# Altium PCB GN-1876-HI3519AV100_V1.PCBDOC (part 1 of 6) (continued)
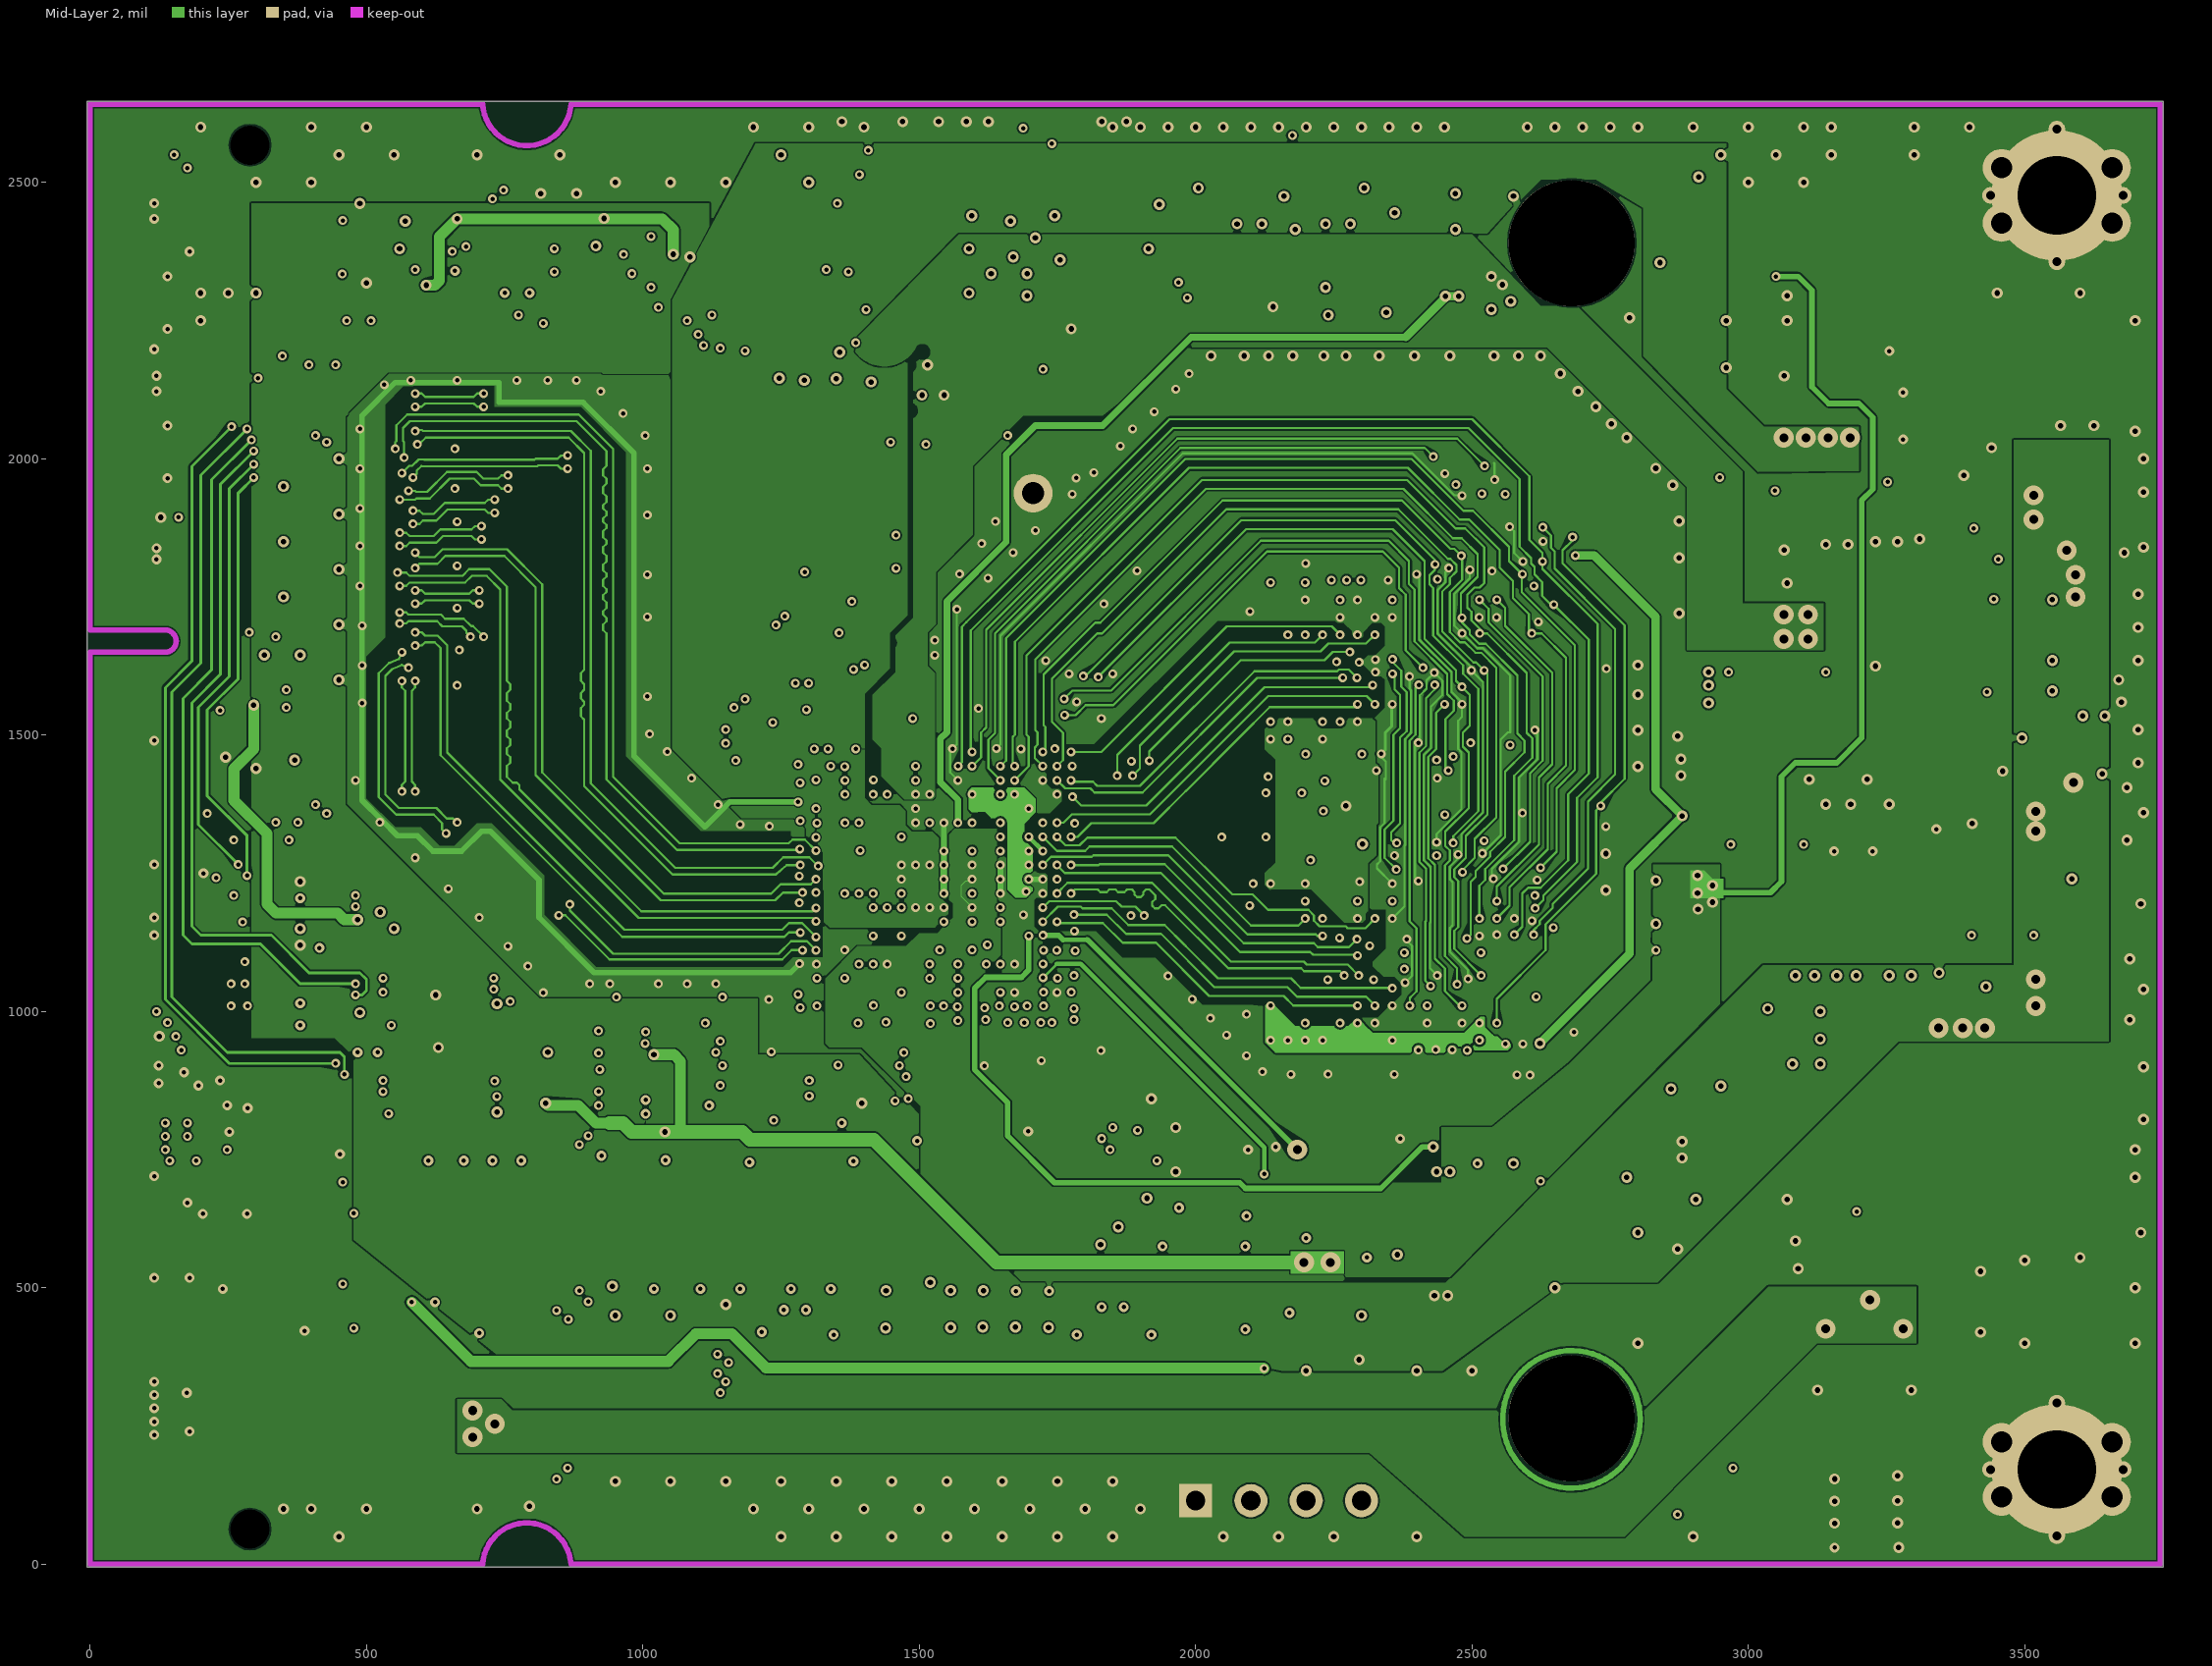
[diagram p3: Mid-Layer 2]

## Layer stack, top to bottom
Top Layer: signal copper 1.4
Dielectric: dielectric 12.6, FR-4, Dk 4.8
Mid-Layer 1: signal copper 1.4
Dielectric: dielectric 12.6, FR-4, Dk 4.8
Mid-Layer 2: signal copper 1.4
Dielectric: dielectric 12.6, FR-4, Dk 4.8
Bottom Layer: signal copper 1.4

## Board outline
-5,-5.22 3750,-5.22 3750,2646.73 -5,2646.73

## Design rules (kind name [scope] priority, off if disabled: settings)
Clearance "'Default' PADS rule_16" [All] p1: gap=3
Clearance "'Default' PADS rule_13" [IsVia vs IsVia] p2: gap=0.1
ComponentClearance "'Default' PADS rule_10" [All] p1: gap=1 collisioncheckmode=3 verticalgap=10 showdistances=FALSE
FabricationTestPointUsage TestPointUsage [All] p1: valid=0 allowmultiple=FALSE
FabricationTestpoint Testpoint [All] p1: side=3 testpointundercomponent=TRUE minsize=40 maxsize=100 preferedsize=60 minholesize=0 maxholesize=40 preferedholesize=32 testpointgrid=1 allowsidetop=TRUE allowsidebottom=TRUE usegrid=TRUE gridtolerance=0.01
Length "'Default' PADS rule_5" [All] p1: maxlimit=50000 minlimit=0
MatchedLengths "'Default' PADS rule_9" [InNetClass('All Nets')] p1: tolerance=200 checknetsindiffpair=TRUE checkdiffpairvsdiffpair=TRUE checkothers=TRUE
MaxMinImpedance "'Default' PADS rule_8" [All] p1: minimum=50.00 maximum=150.0
ParallelSegment "'Default' PADS rule_7" [All] p1: limit=1000 gap=200
ParallelSegment "'Default' PADS rule_6" [All] p2: limit=1000 gap=200
PlaneClearance "Power Plane Clearance for J7-1" [(Name='J7-1')] p1: clearance=20 // PAD - Power Plane Clearance
PlaneClearance "'Default' PADS rule_12" [All] p2: clearance=3
PlaneConnect "Power Plane Connect Style for J7-1" [(Name='J7-1')] p1: planeconnectstyle=Direct reliefexpansion=-15 reliefentries=4 reliefconductorwidth=9 reliefairgap=35
PlaneConnect "Power Plane Connect Style - pads with no thermal" [(Name='J1-205') Or (Name='J1-206') Or (Name='M10-1') Or (Name='M8-1')] p2: planeconnectstyle=Direct reliefexpansion=20 reliefentries=4 reliefconductorwidth=10 reliefairgap=10 // PAD - No Thermal Connect Rule
PlaneConnect "Power Plane Connect Style - from global settings" [All] p3: planeconnectstyle=Direct reliefexpansion=20 reliefentries=2 reliefconductorwidth=15 reliefairgap=10
PolygonConnect [All] p1: connectstyle=Direct reliefconductorwidth=10 reliefentries=4 polygonreliefangle="90 Angle"
RoutingLayers "'Default' PADS rule_3" [All] p1: top layer_v5=FALSE mid layer 1_v5=FALSE mid layer 2_v5=FALSE bottom layer_v5=FALSE
RoutingPriority "'Default' PADS rule_2" [All] p1: routingpriority=3
RoutingTopology "'Default' PADS rule" [All] p1: topology=Shortest
RoutingVias "'Default' PADS rule_4" [All] p1: holewidth=16 width=36 viastyle="Through Hole" minholewidth=16 minwidth=36 maxholewidth=16 maxwidth=36
SMDToCorner "'Default' PADS rule_14" [All] p1: distance=1000
SMDToPlane "'Default' PADS rule_15" [All] p1: distance=1000
SilkscreenOverComponentPads [All] p1: minsilkscreentomaskgap=10
SolderMaskExpansion "Solder Mask Expansion from CAM settings" [All] p1: expansion=5
Width "'Default' PADS rule_11" [All] p1: maxlimit=50 minlimit=4 preferedwidth=4
19 further rules are at their usual default settings.

## Components (designator, comment, footprint, x,y, rotation, side; value= is the part's Value field where it differs from the comment)
A1 "PAD" PAD 1121,603.16 r0 top
A2 "PAD" PAD 1193,603.16 r0 top
AOUT1 "PAD" PAD 969,607.16 r0 top
AOUT2 "PAD" PAD 1049,603.16 r0 top
C1 "SC0402" SC0402 3336,690.16 r270 top
C2 "SC0402" SC0402 3344,1026.16 r90 top
C3 "SC0402_BGA1" SC0402_BGA1 1313,907.16 r180 bottom
C5 "SC0402" SC0402 416,1318.16 r0 top
C6 "SC0402_BGA1" SC0402_BGA1 1569.79,1272.53 r90 bottom
C7 "SC0402" SC0402 224,1310.16 r180 bottom
C8 "SC0402_BGA1" SC0402_BGA1 1752,1142.16 r0 bottom
C9 "RECV" RECV 960,1630 r270 top
C10 "SC0402_BGA1" SC0402_BGA1 1507.6,1210.28 r0 bottom
C11 "PB" PB 2290,380 r0 top
C12 "ESD_MINI" ESD_MINI 955,1925 r270 top
C13 "SC0805" SC0805 3244,350.16 r270 bottom
C14 "GOSPELL_M" GOSPELL_M 600,650 r0 top
C16 "SC0402_BGA1" SC0402_BGA1 1621.1,1247.48 r270 bottom
C17 "SC0402_BGA1" SC0402_BGA1 1569.79,1207.31 r90 bottom
C18 "SC0402" SC0402 2155,2435.16 r270 bottom
C20 "SC0402_BGA1" SC0402_BGA1 1441.1,1164.7 r180 bottom
C21 "SC0402_BGA1" SC0402_BGA1 1490.09,1150.4 r270 bottom
C22 "SC0402" SC0402 2245,2545.16 r90 top
C24 "SC0402_BGA1" SC0402_BGA1 1493,1491.9 r90 bottom
C27 "SC0402_BGA1" SC0402_BGA1 1507.6,1288.5 r0 bottom
C28 "SC0402_BGA1" SC0402_BGA1 1425.1,1307.7 r180 bottom
C34 "SC0402" SC0402 2587.1,1000.7 r0 bottom
C35 "SC0402" SC0402 2768.1,1350.7 r270 bottom
C36 "SC0402_BGA1" SC0402_BGA1 1507.6,1242.74 r0 bottom
C37 "SC0402_BGA1" SC0402_BGA1 1442.9,1225.05 r270 bottom
C38 "SC0402" SC0402 2065,2545.16 r90 top
C39 "SC0402_BGA1" SC0402_BGA1 1455,1010.16 r135 bottom
C40 "SC0402_BGA1" SC0402_BGA1 1593.1,1069.7 r270 bottom
C41 "SC0402_BGA1" SC0402_BGA1 1377.1,1074.7 r135 bottom
C42 "SC0402" SC0402 2170,2305 r0 bottom
C43 "HSC0402" HSC0402 3256,1166.76 r0 bottom
C44 "SC0402_BGA1" SC0402_BGA1 1673.07,1287.85 r270 bottom
C45 "SC0402_BGA1" SC0402_BGA1 1670.07,1222.63 r90 bottom
C46 "SC0402_BGA1" SC0402_BGA1 1612.1,1411.7 r331.36 bottom
C47 "SC0402_BGA1" SC0402_BGA1 1741.1,1367.7 r0 bottom
C48 "HSC0402" HSC0402 3160,1946.16 r0 bottom
C49 "SC0402_BGA1" SC0402_BGA1 1686.1,1336.37 r0 bottom
C50 "SC0402_BGA1" SC0402_BGA1 1573.28,1321.14 r180 bottom
C51 "SC0402_BGA1" SC0402_BGA1 1621.1,1312.7 r90 bottom
C52 "SC0402_BGA1" SC0402_BGA1 1618.42,1133.65 r0 bottom
C53 "SC0402_BGA1" SC0402_BGA1 1508.06,1321.14 r180 bottom
C54 "HSC0402" HSC0402 3206,1596.76 r90 bottom
C57 "SC0603" SC0603 1653,861.9 r270 bottom
C58 "SC0402_BGA1" SC0402_BGA1 1597.1,929.7 r0 bottom
C59 "SC0402_BGA1" SC0402_BGA1 1522.19,1150.4 r270 bottom
C60 "SC0402_BGA1" SC0402_BGA1 1391.1,1391.7 r90 bottom
C61 "SC0402_BGA1" SC0402_BGA1 2092,674.16 r270 top
C63 "SC0402" SC0402 1704,1838.16 r135 bottom
C76 "SC0402_BGA1" SC0402_BGA1 1715,1402.16 r0 bottom
C77 "SC0402_BGA1" SC0402_BGA1 1543.97,1418.73 r90 bottom
C80 "SC0402" SC0402 1725,2285.16 r90 bottom
C113 "SC0402" SC0402 1864.09,1767.66 r45 top
C150 "SC0402" SC0402 247,1390.16 r180 bottom
C151 "SC0402" SC0402 319,1598.16 r90 bottom
C152 "SC0402" SC0402 275,1598.16 r90 bottom
C153 "SC0402" SC0402 351,1430.16 r0 bottom
C154 "SC0402" SC0402 615,2435.16 r180 bottom
C155 "SC0402" SC0402 525,2435.16 r0 bottom
C160 "SC0402" SC0402 1566,1545.16 r180 bottom
C173 "SC0402_BGA1" SC0402_BGA1 1425.1,1273.7 r180 bottom
C174 "SC0402" SC0402 2587.1,965.7 r0 bottom
C175 "SC0402" SC0402 2285,2545.16 r90 top
C179 "SC0402" SC0402 2315,2445.16 r270 bottom
C180 "SC0402" SC0402 1850,1985.16 r135 bottom
C181 "SC0402" SC0402 2005,2445.16 r90 top
C182 "SC0402" SC0402 680,810.16 r180 bottom
C183 "SC0402" SC0402 580,790.16 r0 bottom
C184 "SC0402" SC0402 680,978.16 r180 bottom
C185 "SC0402" SC0402 580,990.16 r0 bottom
C186 "SC0402" SC0402 1965,2080.16 r90 bottom
C187 "SC0402" SC0402 3586,1196.76 r90 bottom
C188 "SC0402" SC0402 3352,1874.16 r180 bottom
C189 "SC0402" SC0402 3506,1816.76 r0 bottom
C190 "SC0402" SC0402 3636,1476.76 r270 top
C191 "SC0402" SC0402 430,990.16 r180 bottom
C192 "SC0402" SC0402 330,950.16 r0 bottom
C193 "SC0402" SC0402 430,1135.16 r180 bottom
C196 "SC0603" SC0603 3356,526.76 r0 top
C198 "SC0402" SC0402 2230,2080.16 r90 bottom
C199 "SC0402" SC0402 2928,1282.16 r90 top
C200 "SC0402" SC0402 2924,1146.16 r270 top
C201 "SC0402" SC0402 330,1150.16 r0 bottom
C204 "SC0402" SC0402 500,2358.16 r90 bottom
C205 "SC0402" SC0402 3476,1036.76 r180 top
C206 "SC0402_BGA1" SC0402_BGA1 1642.1,1059.7 r180 bottom
C207 "SC0402" SC0402 635,2325.16 r90 top
C209 "SC0402" SC0402 2510,2080.16 r90 bottom
C210 "SC0402" SC0402 3084,1982.16 r270 top
C211 "SC0402" SC0402 3566,1946.76 r0 bottom
C212 "SC0402_BGA1" SC0402_BGA1 1376.7,1239.8 r180 bottom
C213 "SC0402" SC0402 3646,1756.76 r0 top
C214 "SC0402" SC0402 2715,1980.16 r90 bottom
C215 "SC0402" SC0402 2880,1558.16 r180 top
C216 "SC0402" SC0402 2030,1695.16 r315 bottom
C217 "SC0402" SC0402 1920,1580.16 r315 bottom
C218 "SC0402" SC0402 2330,1340.16 r180 bottom
C219 "SC0402" SC0402 2685,1175.16 r0 bottom
C223 "SC0402" SC0402 3464,1338.16 r180 top
C224 "SC0402" SC0402 2765,1980 r90 bottom
C225 "SC0402" SC0402 1805,1705.16 r45 top
C227 "SC0402" SC0402 2848,818.16 r90 top
C228 "SC0402" SC0402 2914,1042.16 r0 top
C231 "SC0402_BGA1" SC0402_BGA1 1391.1,1159.7 r90 bottom
C232 "SC0402" SC0402 2735,1255.16 r0 bottom
C233 "SC0402" SC0402 2783,1540.16 r0 bottom
C234 "SC0402_BGA1" SC0402_BGA1 1357,943.16 r90 bottom
C236 "SC0402" SC0402 2880,1602.16 r180 top
C238 "SC0603" SC0603 2416,2250.16 r180 top
C240 "SC0603" SC0603 3054,852.16 r90 top
C243 "SC0402_BGA1" SC0402_BGA1 1700.48,1171.51 r90 bottom
C252 "SC0603" SC0603 3164,350.16 r270 bottom
C254 "SC1210B" SC1210B 3196,556.76 r180 top
C255 "SC0402" SC0402 2025,2275.16 r90 top
C258 "SC0603" SC0603 2464,2566.16 r180 top
C262 "SC1206" SC1206 3228,906.16 r180 top
C270 "SC0402" SC0402 2388,1330.88 r0 top
C271 "SC0402" SC0402 2473,906.9 r180 bottom
C272 "SC0402" SC0402 2147.1,1450.7 r180 bottom
C273 "SC0402" SC0402 2203.1,920.7 r0 bottom
C274 "SC0402" SC0402 2174.1,1220.7 r270 bottom
C275 "SC0402" SC0402 2403,906.9 r180 bottom
C276 "SC0402" SC0402 2278.1,948.7 r180 bottom
C277 "SC0402" SC0402 2329.15,932.64 r270 bottom
C278 "SC0402" SC0402 2331.1,1216.7 r90 bottom
C279 "SC0402" SC0402 2132.1,975.7 r180 bottom
C280 "SC0402" SC0402 2118,1261.9 r180 bottom
C281 "SC0402" SC0402 2249.1,1241.7 r180 bottom
C282 "SC0402" SC0402 2254,1456.9 r0 bottom
C283 "SC0402" SC0402 2275,1494.9 r180 bottom
C284 "SC0402" SC0402 2199.1,1508.7 r270 bottom
C285 "SC0402" SC0402 2237.41,1733.9 r270 bottom
C286 "SC0402" SC0402 2305,1410.16 r180 bottom
C287 "SC0402" SC0402 2323.1,1758.7 r90 bottom
C288 "SC0402_BGA1" SC0402_BGA1 1481.1,1101.7 r180 bottom
C289 "SC0402" SC0402 2169,1771.75 r270 bottom
C290 "SC0402" SC0402 2310.1,1810.7 r0 bottom
C294 "SC0402_BGA1" SC0402_BGA1 1415.1,1109.7 r180 bottom
C304 "SC0402" SC0402 3044,962.16 r90 top
C305 "SC0402" SC0402 2594.1,1331.28 r0 top
C306 "SC0402" SC0402 2265.1,1190.7 r90 bottom
C308 "SC0402" SC0402 2112.1,1505.7 r90 bottom
C309 "SC0402" SC0402 2559,1768.16 r180 bottom
C311 "SC0402_BGA1" SC0402_BGA1 1257,875.16 r180 bottom
C312 "SC0402_BGA1" SC0402_BGA1 1257,835.16 r180 bottom
C313 "SC0402_BGA1" SC0402_BGA1 1113,675.16 r270 top
C314 "SC0402_BGA1" SC0402_BGA1 1161,675.16 r270 top
C315 "SC0402_BGA1" SC0402_BGA1 1013,675.16 r270 top
C316 "SC0402_BGA1" SC0402_BGA1 1065,675.16 r270 top
C320 "SCAPC2-280-327" SCAPC2-280-327 3214,232.16 r270 top
C323 "SC1206" SC1206 3228,998.16 r180 top
C330 "SC1206" SC1206 3086,1156.76 r270 top
C332 "SC1206" SC1206 2986,1156.76 r270 top
C333 "SC1206" SC1206 3176,1156.76 r270 top
C334 "SC1206" SC1206 3276,1156.76 r270 top
C335 "SC1206" SC1206 3616,1036.76 r0 top
C339 "SC1206" SC1206 3624,1892.16 r0 top
C340 "SC1206" SC1206 3100,2102.16 r180 top
C341 "SC1206" SC1206 3156,1942.16 r270 top
C342 "SC1206" SC1206 3624,1982.16 r0 top
C343 "SC1206" SC1206 3100,2198.16 r180 top
C344 "SAC6666" SAC6666 3220,2422.16 r90 top
C347 "SC1206" SC1206 3256,1746.76 r90 top
C348 "SC1206" SC1206 3156,1746.76 r90 top
C349 "SC1206" SC1206 3616,1636.76 r270 top
C351 "SC1206" SC1206 3266,1476.76 r270 top
C352 "SC1206" SC1206 3166,1476.76 r270 top
C353 "SC1206" SC1206 3056,1476.76 r270 top
C354 "SC1206" SC1206 3616,1356.76 r0 top
C355 "SC0402" SC0402 1320,1838.9 r0 top
C356 "SC0402" SC0402 1410,1784.9 r90 top
C362 "SC0402" SC0402 2340,2298.16 r270 top
C363 "SC0402" SC0402 1925,2335.16 r90 top
C366 "SC0603" SC0603 3126,636.76 r180 bottom
C387 "SC0603" SC0603 1775,2295.16 r90 bottom
C409 "SC0402_BGA1" SC0402_BGA1 1494.1,1052.7 r270 bottom
C414 "SC0603" SC0603 2804,742.16 r180 top
C416 "SC0603" SC0603 2844,952.16 r270 top
C421 "SC0402_BGA1" SC0402_BGA1 1471.4,1367.2 r90 bottom
C422 "SC0402_BGA1" SC0402_BGA1 1668.48,1157.41 r90 bottom
C424 "SC0402_BGA1" SC0402_BGA1 1623,1182.26 r90 bottom
C432 "SC0402" SC0402 1523,1837.9 r0 top
C433 "SC0402" SC0402 1596,1878.9 r180 top
C448 "SC0402" SC0402 2280,714.16 r270 bottom
C480 "SC0603" SC0603 2220,694.16 r270 bottom
D8 "HSOD323A" HSOD323A 1532,802.16 r0 bottom
D32 "HSOD323A" HSOD323A 1195,2345 r0 bottom
DGND1 "PAD" PAD 1356,658.16 r0 top
DM "PAD" PAD 1345,751.16 r0 top
DP "PAD" PAD 1289,751.16 r0 top
F1 "1812" 1812 530,270.16 r0 bottom
HDMITX1 "FPC20_05MM" FPC20_05MM 1380,465.16 r0 top
ID1 "PAD_NC" PAD_NC 3595,450.16 r0 top
ID2 "PAD_NC" PAD_NC 3620,2165.16 r0 top
ID3 "PAD_NC" PAD_NC 625,65.16 r0 top
ID4 "PAD_NC" PAD_NC 625,2565.16 r0 top
ID5 "PAD_NC" PAD_NC 625,2565.16 r180 bottom
ID6 "PAD_NC" PAD_NC 625,65.16 r180 bottom
ID7 "PAD_NC" PAD_NC 3595,450.16 r180 bottom
ID8 "PAD_NC" PAD_NC 3620,2165.16 r180 bottom
J1 "DDR3SODI_MBH2S6" DDR3SODI_MBH2S6 53,2561.56 r270 top
J7 "HEAD0101-T-B" HEAD0101-T-B 1706,1937.9 r0 top
J15 "4PIN-254" 4PIN-254 2000,115.16 r0 top
L2 "SPL0404B" SPL0404B 3406,2136.76 r180 top
L3 "SL1008H" SL1008H 3466,1236.76 r180 top
L8 "SL2828" SL2828 3526,756.76 r0 top
L9 "SL1008H" SL1008H 3376,1746.76 r270 top
L10 "HSL1008" HSL1008 3386,1466.76 r90 top
LB3 "SL0402" SL0402 1661.37,1369.29 r180 bottom
LB4 "SL0402" SL0402 1596.37,1369.29 r0 bottom
LB21 "SL0402" SL0402 1697.1,1058.7 r270 bottom
LB23 "SL0402" SL0402 1363.6,1297.3 r270 bottom
LB42 "SL0402" SL0402 1568.9,1143.7 r270 bottom
LB45 "SL0402" SL0402 1443.6,1060.7 r0 bottom
LB46 "SL0402" SL0402 1430,895.16 r90 bottom
LB47 "SL0402" SL0402 1545.1,1070.7 r90 bottom
LB51 "SL0402" SL0402 1679.1,1108.8 r180 bottom
LB54 "SL0402" SL0402 1531.37,1369.29 r180 bottom
LB55 "SL0402" SL0402 1424.36,1342.7 r0 bottom
LB57 "SL0402" SL0402 1354,1156.9 r270 bottom
LED1 "HSD0603-LED" HSD0603-LED 2932,146.16 r90 top
LED2 "HSD0603-LED" HSD0603-LED 2872,146.16 r90 top
M1 "HOLE160-8STARAN" HOLE160-8STARAN 3558,171.56 r0 top
M2 "HOLE160-8STARAN" HOLE160-8STARAN 3558,2476.56 r0 top
M8 "VIAAAAA" VIAAAAA 2680.17,264.27 r0 top
M10 "VIAAAAB" VIAAAAB 2680.17,2390.26 r0 top
MIPI1 "FPC803A045" FPC803A045 572.79,1816.56 r90 top
Q2 "SOT23" SOT23 2205,665.16 r90 top
Q4 "SOT23" SOT23 2465,615.16 r90 top
R1 "SR0402" SR0402 2105,2545.16 r90 top
R2 "SR0603" SR0603 3132,1894.16 r0 bottom
R3 "SR0603" SR0603 3266,1116.76 r0 bottom
R4 "SR0603" SR0603 3286,1576.76 r0 bottom
R5 "SR0603" SR0603 2872,146.16 r270 bottom
R6 "SR0603" SR0603 2932,146.16 r270 bottom
R11 "SR0402" SR0402 2325,685.16 r270 top
R12 "SR0402" SR0402 2345,615.16 r0 top
R13 "SR0402" SR0402 535,455.16 r0 bottom
R14 "SR0402" SR0402 535,495.16 r0 bottom
R15 "SR0402" SR0402 2944,742.16 r0 top
R18 "SR0402" SR0402 2625,625.16 r90 top
R20 "SR0402" SR0402 1755,835.16 r270 top
R21 "SR0402" SR0402 806,2386.16 r180 top
R22 "SR0402" SR0402 2184,626.16 r0 bottom
R23 "SR0402" SR0402 806,2338.16 r180 top
R24 "SR0402" SR0402 876,2338.16 r0 top
R25 "SR0402" SR0402 808,2434.16 r180 top
R26 "SR0402" SR0402 2585,625.16 r270 top
R27 "SR0402" SR0402 555,2345.16 r180 bottom
R30 "SR0402" SR0402 3436,1116.76 r90 top
R31 "SR0402" SR0402 3276,1946.76 r90 top
R32 "SR0402" SR0402 1375,1784.9 r270 top
R33 "SR0603" SR0603 3226,2046.76 r270 top
R34 "SR0402" SR0402 2145,2545.16 r270 top
R35 "SR0603" SR0603 3346,1146.76 r270 top
R37 "SR0402" SR0402 2344,2506.16 r270 top
R47 "SR0402" SR0402 1795,835.16 r270 top
R48 "SR0402" SR0402 1715,835.16 r270 top
R49 "SR0402" SR0402 1830,835.16 r270 bottom
R51 "SR0402" SR0402 1835,835.16 r270 top
R52 "SR0402" SR0402 1875,835.16 r270 top
R53 "SR0402" SR0402 405,505.16 r180 bottom
R54 "SR0402" SR0402 1708,836.9 r270 bottom
R84 "SR0402" SR0402 1336,1784.9 r270 top
R85 "SR0603" SR0603 3486,1576.76 r0 top
R86 "SR0603" SR0603 3376,1576.76 r0 top
R88 "SR0402" SR0402 1523,1878.9 r180 top
R89 "SR0402" SR0402 1394,1838.9 r180 top
R90 "SR0402" SR0402 1985,2345.16 r180 top
R91 "SR0402" SR0402 1985,2385.16 r180 top
R92 "SR0402" SR0402 1236,2462.16 r0 top
R97 "SR0402" SR0402 1312,2462.16 r0 top
R99 "SR0402" SR0402 1312,2234.16 r0 top
R109 "SR0402" SR0402 1449,2103.16 r90 top
R113 "SR0402" SR0402 300,2094.16 r270 bottom
R114 "SR0402" SR0402 1960,2234.16 r90 top
R115 "SR0402" SR0402 1705,2135.16 r0 top
R116 "SR0402" SR0402 348,2094.16 r270 bottom
R117 "SR0402" SR0402 3496,1636.76 r0 top
R118 "SR0402" SR0402 1533,1486.9 r90 bottom
R119 "SR0402" SR0402 1293,2103.16 r90 top
R120 "SR0402" SR0402 444,2094.16 r270 bottom
R121 "SR0402" SR0402 396,2094.16 r270 bottom
R133 "SR0402" SR0402 3336,766.76 r270 top
R139 "SR0402" SR0402 1333,2103.16 r270 top
R140 "SR0603" SR0603 3244,1894.16 r0 bottom
R162 "SR0603" SR0603 3226,1926.76 r270 top
R163 "SR0402" SR0402 2474,1987.16 r135 bottom
R164 "SR0402" SR0402 2541,1904.16 r315 bottom
R165 "SR0402" SR0402 3596,1476.76 r90 top
R166 "SR0402" SR0402 2301,2299.16 r270 top
R168 "SR0402" SR0402 2171,1334.7 r180 top
R169 "SR0402" SR0402 2183,1719.75 r180 bottom
R170 "SR0402" SR0402 3506,1816.76 r180 top
R172 "SR0402" SR0402 3586,1116.76 r90 bottom
R175 "SR0402" SR0402 3496,1676.76 r0 top
R176 "SR0402" SR0402 3496,1526.76 r180 top
R177 "SR0402" SR0402 1208,1450.16 r138.81 bottom
R179 "SR0402" SR0402 1365,1010.16 r180 bottom
R194 "SR0402" SR0402 876,2290.16 r180 top
R195 "SR0402" SR0402 878,2434.16 r180 top
R196 "SR0402" SR0402 1337,1395.16 r90 bottom
R197 "SR0402" SR0402 1373,2103.16 r270 top
R198 "SR0402" SR0402 1413,2103.16 r270 top
R200 "SR0402" SR0402 3206,586.76 r180 bottom
R201 "SR0402" SR0402 876,2386.16 r180 top
R225 "SR0402" SR0402 2352.1,1090.7 r90 bottom
R239 "SR0402" SR0402 2578,1908.9 r180 top
R242 "SR0402" SR0402 1553,855.16 r0 bottom
R243 "SR0402" SR0402 2452.1,970.7 r90 bottom
R244 "SR0402" SR0402 2510,1020.16 r90 bottom
R246 "SR0402" SR0402 2547.1,1085.7 r270 bottom
R247 "SR0402" SR0402 2582.1,1085.7 r90 bottom
R248 "SR0402" SR0402 2400,953.66 r180 bottom
R249 "SR0402" SR0402 2365,988.66 r180 bottom
R253 "SR0402" SR0402 1237,675.16 r270 top
R254 "SR0402" SR0402 1249,591.16 r270 top
R255 "SR0402" SR0402 580,830.16 r180 bottom
R256 "SR0402" SR0402 580,950.16 r180 bottom
R257 "SR0402" SR0402 330,990.16 r180 bottom
R258 "SR0402" SR0402 330,1110.16 r180 bottom
R263 "SR0402" SR0402 965,925.16 r180 top
R265 "SR0402" SR0402 965,965.16 r180 top
R266 "SR0402" SR0402 1060,882.16 r180 top
R269 "SR0402" SR0402 875,965.16 r0 top
R270 "SR0402" SR0402 875,805.16 r0 top
R271 "SR0402" SR0402 1040,822.16 r90 top
R285 "SR0402" SR0402 2400,2298.16 r180 top
R289 "SR0402" SR0402 3136,696.76 r90 top
R290 "SR0402" SR0402 2372,2398.16 r90 top
R292 "SR0402" SR0402 3456,1874.16 r180 bottom
R293 "SR0402" SR0402 1528.1,1599.7 r90 top
R294 "SR0402" SR0402 2244.1,1334.7 r0 top
R295 "SR0402" SR0402 2243,1810.9 r0 bottom
R298 "SR0402" SR0402 3366,1116.76 r0 bottom
R300 "SR0402" SR0402 2914,1002.16 r0 top
R301 "SR0402" SR0402 2984,1002.16 r0 top
R327 "SR0402" SR0402 1965,2445.16 r270 top
R328 "SR0402" SR0402 1253,2103.16 r270 top
R344 "SR0402" SR0402 1920,2234.16 r270 top
R345 "SR0402" SR0402 1935,2505.16 r180 top
R346 "SR0402" SR0402 1364,2558.16 r180 bottom
R368 "SR0402" SR0402 383,1598.16 r90 bottom
R369 "SR0402" SR0402 207,1454.16 r270 bottom
R370 "SR0402" SR0402 615,2375.16 r180 bottom
R373 "SR0402" SR0402 415,2415.16 r180 top
R374 "SR0402" SR0402 415,2455.16 r180 bottom
R375 "SR0402" SR0402 415,2415.16 r180 bottom
R376 "SR0402" SR0402 415,2295.16 r0 top
R377 "SR0402" SR0402 415,2255.16 r0 top
R378 "SR0402" SR0402 415,2215.16 r0 top
R379 "SR0402" SR0402 215,1180.16 r180 bottom
R380 "SR0402" SR0402 200,1282.16 r180 top
R381 "SR0402" SR0402 215,1090.16 r180 bottom
R382 "SR0402" SR0402 385,785.16 r180 top
R383 "SR0402" SR0402 875,925.16 r0 top
R384 "SR0402" SR0402 1545,2065.16 r270 top
R385 "SR0402" SR0402 1505,2065.16 r90 top
R386 "SR0402" SR0402 1080,822.16 r270 top
R387 "SR0402" SR0402 875,925.16 r180 bottom
R388 "SR0402" SR0402 875,965.16 r180 bottom
R389 "SR0402" SR0402 965,805.16 r0 top
R390 "SR0402" SR0402 200,1322.16 r180 top
R391 "SR0402" SR0402 215,1130.16 r180 bottom
R392 "SR0402" SR0402 215,1010.16 r180 bottom
R393 "SR0402" SR0402 215,930.16 r180 bottom
R394 "SR0402" SR0402 215,1215.16 r180 bottom
R395 "SR0402" SR0402 2473,871.16 r180 bottom
R396 "SR0402" SR0402 2535,910.16 r270 bottom
R397 "SR0402" SR0402 2318,1330.88 r180 top
R398 "SR0402" SR0402 2318,1370.88 r0 top
R399 "SR0402" SR0402 2527.1,1331.28 r0 top
R400 "SR0402" SR0402 2460.1,1331.28 r0 top
R401 "SR0402" SR0402 2640.1,1016.7 r90 bottom
R402 "SR0402" SR0402 2472.1,1892.28 r270 top
R403 "SR0402" SR0402 2718.18,1586.78 r225 top
R404 "SR0402" SR0402 2512.1,1892.28 r270 top
R405 "SR0402" SR0402 581,283.16 r180 top
R406 "SR0402" SR0402 581,347.16 r180 top
R407 "SR0402" SR0402 2065,2275.16 r270 top
R408 "SR0402" SR0402 1312,2194.16 r0 top
R409 "SR0402" SR0402 513,251.16 r180 top
R410 "SR0402" SR0402 215,1050.16 r180 bottom
R411 "SR0402" SR0402 965,885.16 r0 top
R412 "SR0402" SR0402 1060,962.16 r180 top
R413 "SR0402" SR0402 965,1005.16 r0 top
R414 "SR0402" SR0402 965,845.16 r0 top
R415 "SR0402" SR0402 385,745.16 r180 top